# Altium PCB 智能马桶综合检测台V1.0.PcbDoc (part 7 of 10)
Units mil, origin at the board's own origin, x right, y up, seen from the top; angles counter-clockwise.
Board outline 8070.87 x 6102.36 mil, 2 copper layers (Top Layer, Bottom Layer); 199 components, 169 nets, 738 pads, 77 vias.
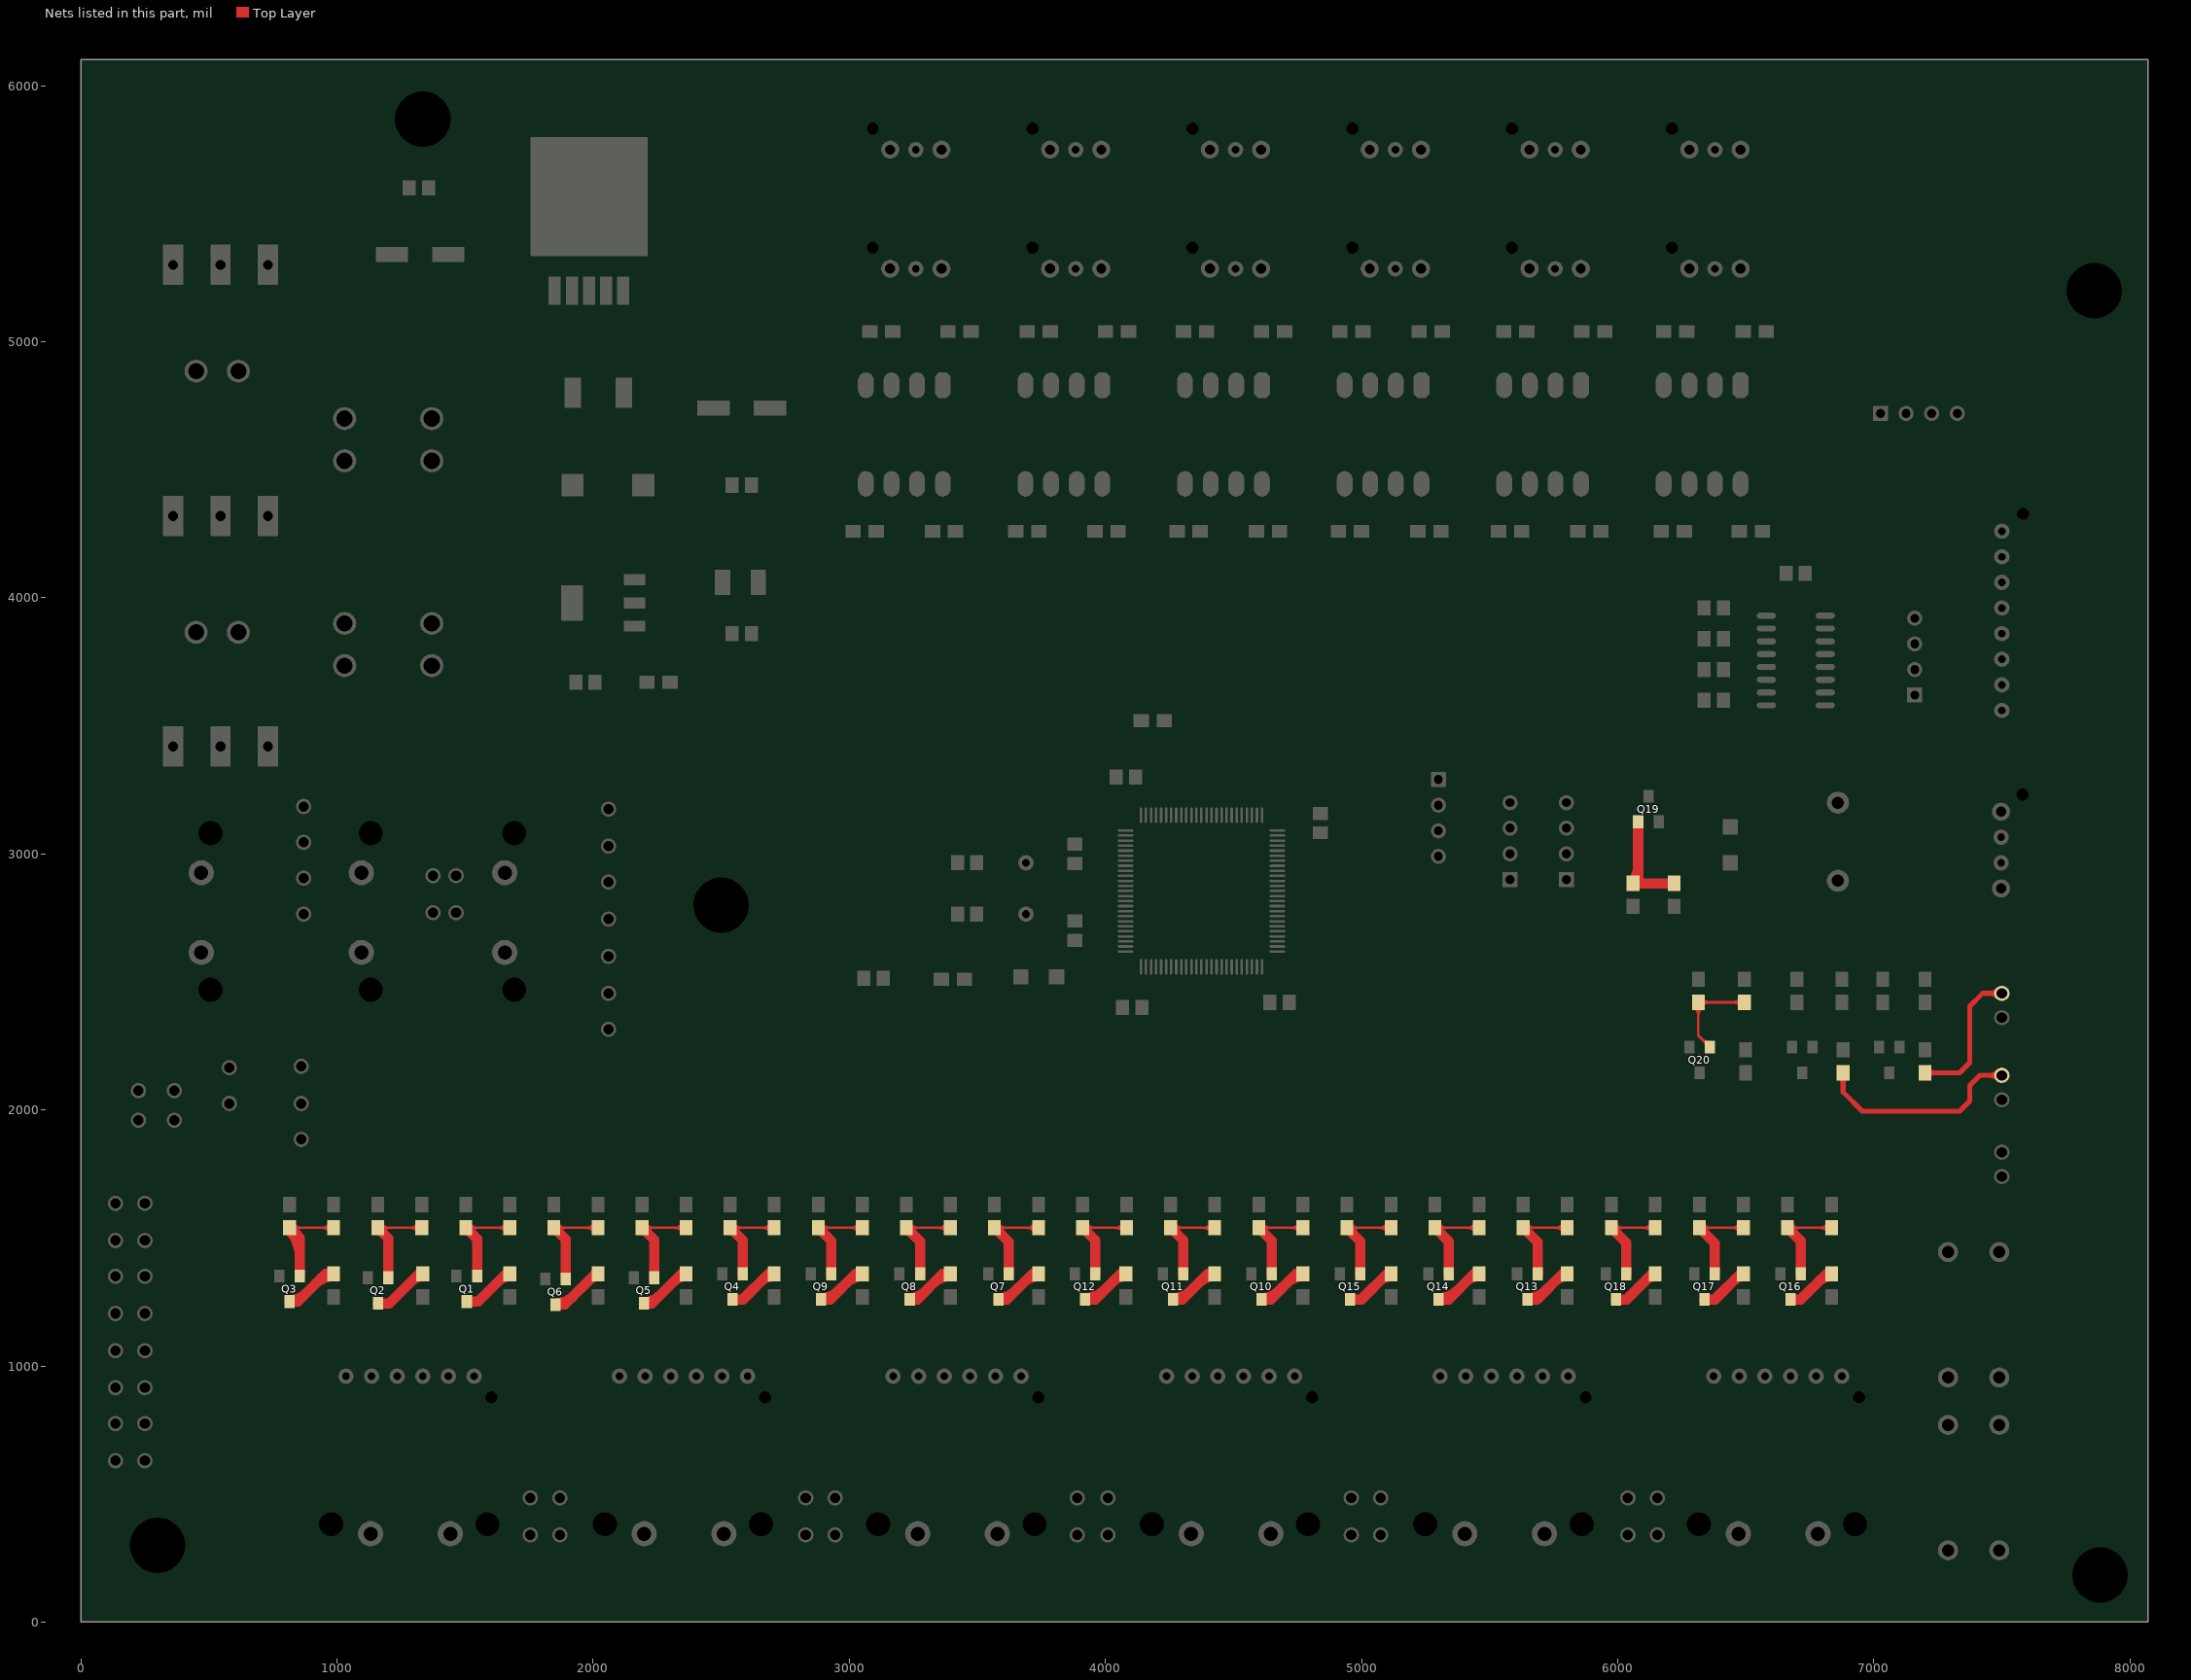
[diagram p7: the nets of this part, all layers, seen from the top]

## Via types
v1: diameter 40, hole 20, Top Layer to Bottom Layer, 68 vias
v2: diameter 50, hole 25, Top Layer to Bottom Layer, 9 vias

## Nets (pads, with @x,y where several pads share a name; then routed paths per layer and width w, separated by ;. In a path a pad name is that pad's centre, name@x,y a point inside that pad or via, vN(x,y) a via of type N, cw(c..) or ccw(c..) an arc to the next point about the centre after c; other vN are vias at no path point) (continued)
NetD4_2: D4.2 R87.1 | length 1615.6
  Top Layer w20: R87.1@6880,2145 6880,2070 6955,1995 7335,1995 7375,2035 7375,2095 7415,2135 D4.2@7500,2135 ; R87.1@6869.39,2129.39 cw(c6843.79,2103.79) 6880,2103.79 ; R87.1@6869.39,2129.39 cw(c6843.79,2103.79) 6880,2103.79 ; R87.1@6869.39,2129.39 cw(c6843.79,2103.79) 6880,2103.79 ; R87.1@6869.39,2129.39 cw(c6843.79,2103.79) 6880,2103.79 ; R87.1@6869.39,2129.39 cw(c6843.79,2103.79) 6880,2103.79 ; R87.1@6869.39,2129.39 cw(c6843.79,2103.79) 6880,2103.79 ; 6880,2103.79 cw(c6916.21,2103.79) R87.1@6890.61,2129.39 ; 6880,2103.79 cw(c6916.21,2103.79) R87.1@6890.61,2129.39 ; 6880,2103.79 cw(c6916.21,2103.79) R87.1@6890.61,2129.39 ; 6880,2103.79 cw(c6916.21,2103.79) R87.1@6890.61,2129.39 ; 6880,2103.79 cw(c6916.21,2103.79) R87.1@6890.61,2129.39 ; 6880,2103.79 cw(c6916.21,2103.79) R87.1@6890.61,2129.39 ; 7451.72,2135 cw(c7451.72,2086.72) D4.2@7485.86,2120.86 ; 7451.72,2135 ccw(c7451.72,2183.28) D4.2@7485.86,2149.14 ; 7451.72,2135 cw(c7451.72,2086.72) D4.2@7485.86,2120.86 ; 7451.72,2135 ccw(c7451.72,2183.28) D4.2@7485.86,2149.14 ; 7451.72,2135 cw(c7451.72,2086.72) D4.2@7485.86,2120.86 ; 7451.72,2135 ccw(c7451.72,2183.28) D4.2@7485.86,2149.14 ; 7451.72,2135 cw(c7451.72,2086.72) D4.2@7485.86,2120.86 ; 7451.72,2135 ccw(c7451.72,2183.28) D4.2@7485.86,2149.14 ; 7451.72,2135 cw(c7451.72,2086.72) D4.2@7485.86,2120.86 ; 7451.72,2135 ccw(c7451.72,2183.28) D4.2@7485.86,2149.14 ; 7451.72,2135 ccw(c7451.72,2183.28) D4.2@7485.86,2149.14 ; 7451.72,2135 cw(c7451.72,2086.72) D4.2@7485.86,2120.86
NetD5_2: D5.2 R90.1 | length 1353.6
  Top Layer w20: R90.1@7200,2145 7335,2145 7375,2185 7375,2405 7425,2455 D5.2@7500,2455 ; R90.1@7210.61,2134.39 cw(c7236.21,2108.79) 7236.21,2145 ; R90.1@7210.61,2134.39 cw(c7236.21,2108.79) 7236.21,2145 ; R90.1@7210.61,2134.39 cw(c7236.21,2108.79) 7236.21,2145 ; R90.1@7210.61,2134.39 cw(c7236.21,2108.79) 7236.21,2145 ; R90.1@7210.61,2134.39 cw(c7236.21,2108.79) 7236.21,2145 ; R90.1@7210.61,2134.39 cw(c7236.21,2108.79) 7236.21,2145 ; R90.1@7210.61,2155.61 ccw(c7236.21,2181.21) 7236.21,2145 ; R90.1@7210.61,2155.61 ccw(c7236.21,2181.21) 7236.21,2145 ; R90.1@7210.61,2155.61 ccw(c7236.21,2181.21) 7236.21,2145 ; R90.1@7210.61,2155.61 ccw(c7236.21,2181.21) 7236.21,2145 ; R90.1@7210.61,2155.61 ccw(c7236.21,2181.21) 7236.21,2145 ; R90.1@7210.61,2155.61 ccw(c7236.21,2181.21) 7236.21,2145 ; 7451.72,2455 cw(c7451.72,2406.72) D5.2@7485.86,2440.86 ; 7451.72,2455 ccw(c7451.72,2503.28) D5.2@7485.86,2469.14 ; 7451.72,2455 cw(c7451.72,2406.72) D5.2@7485.86,2440.86 ; 7451.72,2455 ccw(c7451.72,2503.28) D5.2@7485.86,2469.14 ; 7451.72,2455 cw(c7451.72,2406.72) D5.2@7485.86,2440.86 ; 7451.72,2455 ccw(c7451.72,2503.28) D5.2@7485.86,2469.14 ; 7451.72,2455 cw(c7451.72,2406.72) D5.2@7485.86,2440.86 ; 7451.72,2455 ccw(c7451.72,2503.28) D5.2@7485.86,2469.14 ; 7451.72,2455 cw(c7451.72,2406.72) D5.2@7485.86,2440.86 ; 7451.72,2455 ccw(c7451.72,2503.28) D5.2@7485.86,2469.14 ; 7451.72,2455 ccw(c7451.72,2503.28) D5.2@7485.86,2469.14 ; 7451.72,2455 cw(c7451.72,2406.72) D5.2@7485.86,2440.86
NetQ1_1: Q1.1 R2.2 R3.1 | length 1288.8
  Top Layer w10: R3.1@1503,1540 R2.2@1675,1540 ; R3.1@1517.14,1525.86 cw(c1551.28,1491.72) 1551.28,1540 ; R3.1@1517.14,1525.86 cw(c1551.28,1491.72) 1551.28,1540 ; R3.1@1517.14,1525.86 cw(c1551.28,1491.72) 1551.28,1540 ; R3.1@1517.14,1525.86 cw(c1551.28,1491.72) 1551.28,1540 ; R3.1@1517.14,1525.86 cw(c1551.28,1491.72) 1551.28,1540 ; R3.1@1517.14,1525.86 cw(c1551.28,1491.72) 1551.28,1540 ; R3.1@1517.14,1554.14 ccw(c1551.28,1588.28) 1551.28,1540 ; R3.1@1517.14,1554.14 ccw(c1551.28,1588.28) 1551.28,1540 ; R3.1@1517.14,1554.14 ccw(c1551.28,1588.28) 1551.28,1540 ; R3.1@1517.14,1554.14 ccw(c1551.28,1588.28) 1551.28,1540 ; R3.1@1517.14,1554.14 ccw(c1551.28,1588.28) 1551.28,1540 ; R3.1@1517.14,1554.14 ccw(c1551.28,1588.28) 1551.28,1540 ; 1626.72,1540 cw(c1626.72,1491.72) R2.2@1660.86,1525.86 ; 1626.72,1540 ccw(c1626.72,1588.28) R2.2@1660.86,1554.14 ; 1626.72,1540 cw(c1626.72,1491.72) R2.2@1660.86,1525.86 ; 1626.72,1540 ccw(c1626.72,1588.28) R2.2@1660.86,1554.14 ; 1626.72,1540 cw(c1626.72,1491.72) R2.2@1660.86,1525.86 ; 1626.72,1540 ccw(c1626.72,1588.28) R2.2@1660.86,1554.14 ; 1626.72,1540 cw(c1626.72,1491.72) R2.2@1660.86,1525.86 ; 1626.72,1540 ccw(c1626.72,1588.28) R2.2@1660.86,1554.14 ; 1626.72,1540 cw(c1626.72,1491.72) R2.2@1660.86,1525.86 ; 1626.72,1540 ccw(c1626.72,1588.28) R2.2@1660.86,1554.14 ; 1626.72,1540 ccw(c1626.72,1588.28) R2.2@1660.86,1554.14 ; 1626.72,1540 cw(c1626.72,1491.72) R2.2@1660.86,1525.86
  Top Layer w40: R3.1@1503,1540 1546.76,1496.24 Q1.1@1546.76,1351.5
NetQ1_3: Q1.3 R4.1 | length 402.8
  Top Layer w40: Q1.3@1506.76,1251.5 1551.5,1251.5 1660,1360 R4.1@1675,1360 ; 1632.32,1332.32 cw(c1675,1289.64) R4.1@1675,1350 ; 1632.32,1332.32 cw(c1675,1289.64) R4.1@1675,1350 ; 1632.32,1332.32 cw(c1675,1289.64) R4.1@1675,1350 ; 1632.32,1332.32 cw(c1675,1289.64) R4.1@1675,1350
NetQ2_1: Q2.1 R5.2 R6.2 | length 1295
  Top Layer w10: R6.2@1159,1540 R5.2@1331,1540 ; R6.2@1173.14,1525.86 cw(c1207.28,1491.72) 1207.28,1540 ; R6.2@1173.14,1525.86 cw(c1207.28,1491.72) 1207.28,1540 ; R6.2@1173.14,1525.86 cw(c1207.28,1491.72) 1207.28,1540 ; R6.2@1173.14,1525.86 cw(c1207.28,1491.72) 1207.28,1540 ; R6.2@1173.14,1525.86 cw(c1207.28,1491.72) 1207.28,1540 ; R6.2@1173.14,1525.86 cw(c1207.28,1491.72) 1207.28,1540 ; R6.2@1173.14,1554.14 ccw(c1207.28,1588.28) 1207.28,1540 ; R6.2@1173.14,1554.14 ccw(c1207.28,1588.28) 1207.28,1540 ; R6.2@1173.14,1554.14 ccw(c1207.28,1588.28) 1207.28,1540 ; R6.2@1173.14,1554.14 ccw(c1207.28,1588.28) 1207.28,1540 ; R6.2@1173.14,1554.14 ccw(c1207.28,1588.28) 1207.28,1540 ; R6.2@1173.14,1554.14 ccw(c1207.28,1588.28) 1207.28,1540 ; 1282.72,1540 cw(c1282.72,1491.72) R5.2@1316.86,1525.86 ; 1282.72,1540 ccw(c1282.72,1588.28) R5.2@1316.86,1554.14 ; 1282.72,1540 cw(c1282.72,1491.72) R5.2@1316.86,1525.86 ; 1282.72,1540 ccw(c1282.72,1588.28) R5.2@1316.86,1554.14 ; 1282.72,1540 cw(c1282.72,1491.72) R5.2@1316.86,1525.86 ; 1282.72,1540 ccw(c1282.72,1588.28) R5.2@1316.86,1554.14 ; 1282.72,1540 cw(c1282.72,1491.72) R5.2@1316.86,1525.86 ; 1282.72,1540 ccw(c1282.72,1588.28) R5.2@1316.86,1554.14 ; 1282.72,1540 cw(c1282.72,1491.72) R5.2@1316.86,1525.86 ; 1282.72,1540 ccw(c1282.72,1588.28) R5.2@1316.86,1554.14 ; 1282.72,1540 ccw(c1282.72,1588.28) R5.2@1316.86,1554.14 ; 1282.72,1540 cw(c1282.72,1491.72) R5.2@1316.86,1525.86
  Top Layer w40: R6.2@1159,1540 1200.88,1498.12 Q2.1@1200.88,1344.5
NetQ2_3: Q2.3 R7.1 | length 411.6
  Top Layer w40: Q2.3@1160.88,1244.5 1204.5,1244.5 1320,1360 R7.1@1335,1360 ; 1292.32,1332.32 cw(c1335,1289.64) R7.1@1335,1350 ; 1292.32,1332.32 cw(c1335,1289.64) R7.1@1335,1350 ; 1292.32,1332.32 cw(c1335,1289.64) R7.1@1335,1350 ; 1292.32,1332.32 cw(c1335,1289.64) R7.1@1335,1350
NetQ3_1: Q3.1 R8.2 R9.1 | length 2399.8
  Top Layer w10: R9.1@815,1540 R8.2@987,1540 ; R9.1@829.14,1525.86 cw(c863.28,1491.72) 863.28,1540 ; R9.1@829.14,1525.86 cw(c863.28,1491.72) 863.28,1540 ; R9.1@829.14,1525.86 cw(c863.28,1491.72) 863.28,1540 ; R9.1@829.14,1525.86 cw(c863.28,1491.72) 863.28,1540 ; R9.1@829.14,1525.86 cw(c863.28,1491.72) 863.28,1540 ; R9.1@829.14,1525.86 cw(c863.28,1491.72) 863.28,1540 ; R9.1@829.14,1554.14 ccw(c863.28,1588.28) 863.28,1540 ; R9.1@829.14,1554.14 ccw(c863.28,1588.28) 863.28,1540 ; R9.1@829.14,1554.14 ccw(c863.28,1588.28) 863.28,1540 ; R9.1@829.14,1554.14 ccw(c863.28,1588.28) 863.28,1540 ; R9.1@829.14,1554.14 ccw(c863.28,1588.28) 863.28,1540 ; R9.1@829.14,1554.14 ccw(c863.28,1588.28) 863.28,1540 ; 938.72,1540 cw(c938.72,1491.72) R8.2@972.86,1525.86 ; 938.72,1540 ccw(c938.72,1588.28) R8.2@972.86,1554.14 ; 938.72,1540 cw(c938.72,1491.72) R8.2@972.86,1525.86 ; 938.72,1540 ccw(c938.72,1588.28) R8.2@972.86,1554.14 ; 938.72,1540 cw(c938.72,1491.72) R8.2@972.86,1525.86 ; 938.72,1540 ccw(c938.72,1588.28) R8.2@972.86,1554.14 ; 938.72,1540 cw(c938.72,1491.72) R8.2@972.86,1525.86 ; 938.72,1540 ccw(c938.72,1588.28) R8.2@972.86,1554.14 ; 938.72,1540 cw(c938.72,1491.72) R8.2@972.86,1525.86 ; 938.72,1540 ccw(c938.72,1588.28) R8.2@972.86,1554.14 ; 938.72,1540 ccw(c938.72,1588.28) R8.2@972.86,1554.14 ; 938.72,1540 cw(c938.72,1491.72) R8.2@972.86,1525.86
  Top Layer w40: R9.1@815,1540 855,1500 Q3.1@855,1351.5 ; R9.1@811.46,1531.46 cw(c706.36,1426.36) 855,1426.36 ; R9.1@811.46,1531.46 cw(c706.36,1426.36) 855,1426.36 ; R9.1@811.46,1531.46 cw(c706.36,1426.36) 855,1426.36 ; R9.1@811.46,1531.46 cw(c706.36,1426.36) 855,1426.36 ; R9.1@811.46,1531.46 cw(c706.36,1426.36) 855,1426.36 ; R9.1@811.46,1531.46 cw(c706.36,1426.36) 855,1426.36 ; R9.1@814.18,1530.07 cw(c806.11,1481.85) 855,1481.85 ; R9.1@814.18,1530.07 cw(c806.11,1481.85) 855,1481.85 ; R9.1@814.18,1530.07 cw(c806.11,1481.85) 855,1481.85 ; R9.1@814.18,1530.07 cw(c806.11,1481.85) 855,1481.85 ; R9.1@814.18,1530.07 cw(c806.11,1481.85) 855,1481.85 ; R9.1@814.18,1530.07 cw(c806.11,1481.85) 855,1481.85
NetQ3_3: Q3.3 R10.1 | length 1102.1
  Top Layer w40: Q3.3@815,1251.5 846.5,1251.5 955,1360 R10.1@975,1360 ; Q3.3@815,1256.5 ccw(c815,1344.62) 877.31,1282.31 ; Q3.3@815,1256.5 ccw(c815,1344.62) 877.31,1282.31 ; Q3.3@815,1256.5 ccw(c815,1344.62) 877.31,1282.31 ; Q3.3@815,1256.5 ccw(c815,1344.62) 877.31,1282.31 ; 915.3,1320.3 cw(c987,1248.6) R10.1@987,1350 ; 915.3,1320.3 cw(c987,1248.6) R10.1@987,1350 ; 915.3,1320.3 cw(c987,1248.6) R10.1@987,1350 ; 915.3,1320.3 cw(c987,1248.6) R10.1@987,1350 ; 939,1344 cw(c971.44,1311.56) R10.1@985.47,1355.24 ; 939,1344 cw(c971.44,1311.56) R10.1@985.47,1355.24 ; 939,1344 cw(c971.44,1311.56) R10.1@985.47,1355.24 ; 939,1344 cw(c971.44,1311.56) R10.1@985.47,1355.24 ; 939,1344 cw(c971.44,1311.56) R10.1@985.47,1355.24 ; 939,1344 cw(c971.44,1311.56) R10.1@985.47,1355.24
NetQ4_1: Q4.1 R11.2 R12.2 | length 1282.6
  Top Layer w10: R12.2@2535,1540 R11.2@2707,1540 ; R12.2@2549.14,1525.86 cw(c2583.28,1491.72) 2583.28,1540 ; R12.2@2549.14,1525.86 cw(c2583.28,1491.72) 2583.28,1540 ; R12.2@2549.14,1525.86 cw(c2583.28,1491.72) 2583.28,1540 ; R12.2@2549.14,1525.86 cw(c2583.28,1491.72) 2583.28,1540 ; R12.2@2549.14,1525.86 cw(c2583.28,1491.72) 2583.28,1540 ; R12.2@2549.14,1525.86 cw(c2583.28,1491.72) 2583.28,1540 ; R12.2@2549.14,1554.14 ccw(c2583.28,1588.28) 2583.28,1540 ; R12.2@2549.14,1554.14 ccw(c2583.28,1588.28) 2583.28,1540 ; R12.2@2549.14,1554.14 ccw(c2583.28,1588.28) 2583.28,1540 ; R12.2@2549.14,1554.14 ccw(c2583.28,1588.28) 2583.28,1540 ; R12.2@2549.14,1554.14 ccw(c2583.28,1588.28) 2583.28,1540 ; R12.2@2549.14,1554.14 ccw(c2583.28,1588.28) 2583.28,1540 ; 2658.72,1540 cw(c2658.72,1491.72) R11.2@2692.86,1525.86 ; 2658.72,1540 ccw(c2658.72,1588.28) R11.2@2692.86,1554.14 ; 2658.72,1540 cw(c2658.72,1491.72) R11.2@2692.86,1525.86 ; 2658.72,1540 ccw(c2658.72,1588.28) R11.2@2692.86,1554.14 ; 2658.72,1540 cw(c2658.72,1491.72) R11.2@2692.86,1525.86 ; 2658.72,1540 ccw(c2658.72,1588.28) R11.2@2692.86,1554.14 ; 2658.72,1540 cw(c2658.72,1491.72) R11.2@2692.86,1525.86 ; 2658.72,1540 ccw(c2658.72,1588.28) R11.2@2692.86,1554.14 ; 2658.72,1540 cw(c2658.72,1491.72) R11.2@2692.86,1525.86 ; 2658.72,1540 ccw(c2658.72,1588.28) R11.2@2692.86,1554.14 ; 2658.72,1540 ccw(c2658.72,1588.28) R11.2@2692.86,1554.14 ; 2658.72,1540 cw(c2658.72,1491.72) R11.2@2692.86,1525.86
  Top Layer w40: R12.2@2535,1540 2584.41,1490.59 Q4.1@2584.41,1360
NetQ4_3: Q4.3 R13.1 | length 446.7
  Top Layer w40: Q4.3@2544.41,1260 2585,1260 2685,1360 R13.1@2707,1360 ; 2652.37,1327.37 cw(c2707,1272.75) R13.1@2707,1350 ; 2652.37,1327.37 cw(c2707,1272.75) R13.1@2707,1350 ; 2652.37,1327.37 cw(c2707,1272.75) R13.1@2707,1350 ; 2652.37,1327.37 cw(c2707,1272.75) R13.1@2707,1350
NetQ5_1: Q5.1 R14.2 R15.1 | length 1297.5
  Top Layer w10: R15.1@2195,1550 2205,1540 R14.2@2363,1540 ; R15.1@2205.14,1525.86 cw(c2239.28,1491.72) 2239.28,1540 ; R15.1@2205.14,1525.86 cw(c2239.28,1491.72) 2239.28,1540 ; R15.1@2205.14,1525.86 cw(c2239.28,1491.72) 2239.28,1540 ; R15.1@2205.14,1525.86 cw(c2239.28,1491.72) 2239.28,1540 ; R15.1@2205.14,1525.86 cw(c2239.28,1491.72) 2239.28,1540 ; R15.1@2205.14,1525.86 cw(c2239.28,1491.72) 2239.28,1540 ; R15.1@2205.14,1554.14 ccw(c2239.28,1588.28) 2239.28,1540 ; R15.1@2205.14,1554.14 ccw(c2239.28,1588.28) 2239.28,1540 ; R15.1@2205.14,1554.14 ccw(c2239.28,1588.28) 2239.28,1540 ; R15.1@2205.14,1554.14 ccw(c2239.28,1588.28) 2239.28,1540 ; R15.1@2205.14,1554.14 ccw(c2239.28,1588.28) 2239.28,1540 ; R15.1@2205.14,1554.14 ccw(c2239.28,1588.28) 2239.28,1540 ; 2314.72,1540 cw(c2314.72,1491.72) R14.2@2348.86,1525.86 ; 2314.72,1540 ccw(c2314.72,1588.28) R14.2@2348.86,1554.14 ; 2314.72,1540 cw(c2314.72,1491.72) R14.2@2348.86,1525.86 ; 2314.72,1540 ccw(c2314.72,1588.28) R14.2@2348.86,1554.14 ; 2314.72,1540 cw(c2314.72,1491.72) R14.2@2348.86,1525.86 ; 2314.72,1540 ccw(c2314.72,1588.28) R14.2@2348.86,1554.14 ; 2314.72,1540 cw(c2314.72,1491.72) R14.2@2348.86,1525.86 ; 2314.72,1540 ccw(c2314.72,1588.28) R14.2@2348.86,1554.14 ; 2314.72,1540 cw(c2314.72,1491.72) R14.2@2348.86,1525.86 ; 2314.72,1540 ccw(c2314.72,1588.28) R14.2@2348.86,1554.14 ; 2314.72,1540 ccw(c2314.72,1588.28) R14.2@2348.86,1554.14 ; 2314.72,1540 cw(c2314.72,1491.72) R14.2@2348.86,1525.86
  Top Layer w40: R15.1@2191,1540 2238.53,1492.47 Q5.1@2238.53,1344.5
NetQ5_3: Q5.3 R16.1 | length 697.5
  Top Layer w40: Q5.3@2198.53,1244.5 2229.5,1244.5 2345,1360 R16.1@2363,1360 ; Q5.3@2198.53,1249.5 ccw(c2198.53,1336.34) 2259.94,1274.94 ; Q5.3@2198.53,1249.5 ccw(c2198.53,1336.34) 2259.94,1274.94 ; Q5.3@2198.53,1249.5 ccw(c2198.53,1336.34) 2259.94,1274.94 ; Q5.3@2198.53,1249.5 ccw(c2198.53,1336.34) 2259.94,1274.94 ; 2315.2,1330.2 cw(c2363,1282.4) R16.1@2363,1350 ; 2315.2,1330.2 cw(c2363,1282.4) R16.1@2363,1350 ; 2315.2,1330.2 cw(c2363,1282.4) R16.1@2363,1350 ; 2315.2,1330.2 cw(c2363,1282.4) R16.1@2363,1350
NetQ6_1: Q6.1 R17.2 R18.2 | length 1301.5
  Top Layer w10: R18.2@1847,1540 R17.2@2019,1540 ; R18.2@1861.14,1525.86 cw(c1895.28,1491.72) 1895.28,1540 ; R18.2@1861.14,1525.86 cw(c1895.28,1491.72) 1895.28,1540 ; R18.2@1861.14,1525.86 cw(c1895.28,1491.72) 1895.28,1540 ; R18.2@1861.14,1525.86 cw(c1895.28,1491.72) 1895.28,1540 ; R18.2@1861.14,1525.86 cw(c1895.28,1491.72) 1895.28,1540 ; R18.2@1861.14,1525.86 cw(c1895.28,1491.72) 1895.28,1540 ; R18.2@1861.14,1554.14 ccw(c1895.28,1588.28) 1895.28,1540 ; R18.2@1861.14,1554.14 ccw(c1895.28,1588.28) 1895.28,1540 ; R18.2@1861.14,1554.14 ccw(c1895.28,1588.28) 1895.28,1540 ; R18.2@1861.14,1554.14 ccw(c1895.28,1588.28) 1895.28,1540 ; R18.2@1861.14,1554.14 ccw(c1895.28,1588.28) 1895.28,1540 ; R18.2@1861.14,1554.14 ccw(c1895.28,1588.28) 1895.28,1540 ; 1970.72,1540 cw(c1970.72,1491.72) R17.2@2004.86,1525.86 ; 1970.72,1540 ccw(c1970.72,1588.28) R17.2@2004.86,1554.14 ; 1970.72,1540 cw(c1970.72,1491.72) R17.2@2004.86,1525.86 ; 1970.72,1540 ccw(c1970.72,1588.28) R17.2@2004.86,1554.14 ; 1970.72,1540 cw(c1970.72,1491.72) R17.2@2004.86,1525.86 ; 1970.72,1540 ccw(c1970.72,1588.28) R17.2@2004.86,1554.14 ; 1970.72,1540 cw(c1970.72,1491.72) R17.2@2004.86,1525.86 ; 1970.72,1540 ccw(c1970.72,1588.28) R17.2@2004.86,1554.14 ; 1970.72,1540 cw(c1970.72,1491.72) R17.2@2004.86,1525.86 ; 1970.72,1540 ccw(c1970.72,1588.28) R17.2@2004.86,1554.14 ; 1970.72,1540 ccw(c1970.72,1588.28) R17.2@2004.86,1554.14 ; 1970.72,1540 cw(c1970.72,1491.72) R17.2@2004.86,1525.86
  Top Layer w40: R18.2@1847,1540 1892.65,1494.35 Q6.1@1892.65,1339.5
NetQ6_3: Q6.3 R19.1 | length 677.8
  Top Layer w40: Q6.3@1852.65,1239.5 1889.5,1239.5 2010,1360 R19.1@2019,1360 ; Q6.3@1852.65,1244.5 ccw(c1852.65,1345.54) 1924.09,1274.09 ; Q6.3@1852.65,1244.5 ccw(c1852.65,1345.54) 1924.09,1274.09 ; Q6.3@1852.65,1244.5 ccw(c1852.65,1345.54) 1924.09,1274.09 ; Q6.3@1852.65,1244.5 ccw(c1852.65,1345.54) 1924.09,1274.09 ; 1986.56,1336.56 cw(c2019,1304.13) R19.1@2019,1350 ; 1986.56,1336.56 cw(c2019,1304.13) R19.1@2019,1350 ; 1986.56,1336.56 cw(c2019,1304.13) R19.1@2019,1350 ; 1986.56,1336.56 cw(c2019,1304.13) R19.1@2019,1350
NetQ7_1: Q7.1 R20.2 R21.1 | length 1284.9
  Top Layer w10: R21.1@3567,1540 R20.2@3739,1540 ; R21.1@3581.14,1525.86 cw(c3615.28,1491.72) 3615.28,1540 ; R21.1@3581.14,1525.86 cw(c3615.28,1491.72) 3615.28,1540 ; R21.1@3581.14,1525.86 cw(c3615.28,1491.72) 3615.28,1540 ; R21.1@3581.14,1525.86 cw(c3615.28,1491.72) 3615.28,1540 ; R21.1@3581.14,1525.86 cw(c3615.28,1491.72) 3615.28,1540 ; R21.1@3581.14,1525.86 cw(c3615.28,1491.72) 3615.28,1540 ; R21.1@3581.14,1554.14 ccw(c3615.28,1588.28) 3615.28,1540 ; R21.1@3581.14,1554.14 ccw(c3615.28,1588.28) 3615.28,1540 ; R21.1@3581.14,1554.14 ccw(c3615.28,1588.28) 3615.28,1540 ; R21.1@3581.14,1554.14 ccw(c3615.28,1588.28) 3615.28,1540 ; R21.1@3581.14,1554.14 ccw(c3615.28,1588.28) 3615.28,1540 ; R21.1@3581.14,1554.14 ccw(c3615.28,1588.28) 3615.28,1540 ; 3690.72,1540 cw(c3690.72,1491.72) R20.2@3724.86,1525.86 ; 3690.72,1540 ccw(c3690.72,1588.28) R20.2@3724.86,1554.14 ; 3690.72,1540 cw(c3690.72,1491.72) R20.2@3724.86,1525.86 ; 3690.72,1540 ccw(c3690.72,1588.28) R20.2@3724.86,1554.14 ; 3690.72,1540 cw(c3690.72,1491.72) R20.2@3724.86,1525.86 ; 3690.72,1540 ccw(c3690.72,1588.28) R20.2@3724.86,1554.14 ; 3690.72,1540 cw(c3690.72,1491.72) R20.2@3724.86,1525.86 ; 3690.72,1540 ccw(c3690.72,1588.28) R20.2@3724.86,1554.14 ; 3690.72,1540 cw(c3690.72,1491.72) R20.2@3724.86,1525.86 ; 3690.72,1540 ccw(c3690.72,1588.28) R20.2@3724.86,1554.14 ; 3690.72,1540 ccw(c3690.72,1588.28) R20.2@3724.86,1554.14 ; 3690.72,1540 cw(c3690.72,1491.72) R20.2@3724.86,1525.86
  Top Layer w40: R21.1@3567,1540 3622.06,1484.94 Q7.1@3622.06,1360
NetQ7_3: Q7.3 R22.1 | length 744
  Top Layer w40: Q7.3@3582.06,1260 3615,1260 3715,1360 R22.1@3739,1360 ; Q7.3@3582.06,1265 ccw(c3582.06,1356.6) 3646.83,1291.83 ; Q7.3@3582.06,1265 ccw(c3582.06,1356.6) 3646.83,1291.83 ; Q7.3@3582.06,1265 ccw(c3582.06,1356.6) 3646.83,1291.83 ; Q7.3@3582.06,1265 ccw(c3582.06,1356.6) 3646.83,1291.83 ; 3680.96,1325.96 cw(c3739,1267.92) R22.1@3739,1350 ; 3680.96,1325.96 cw(c3739,1267.92) R22.1@3739,1350 ; 3680.96,1325.96 cw(c3739,1267.92) R22.1@3739,1350 ; 3680.96,1325.96 cw(c3739,1267.92) R22.1@3739,1350
NetQ8_1: Q8.1 R23.2 R24.2 | length 1284.2
  Top Layer w10: R24.2@3223,1540 R23.2@3395,1540 ; R24.2@3237.14,1525.86 cw(c3271.28,1491.72) 3271.28,1540 ; R24.2@3237.14,1525.86 cw(c3271.28,1491.72) 3271.28,1540 ; R24.2@3237.14,1525.86 cw(c3271.28,1491.72) 3271.28,1540 ; R24.2@3237.14,1525.86 cw(c3271.28,1491.72) 3271.28,1540 ; R24.2@3237.14,1525.86 cw(c3271.28,1491.72) 3271.28,1540 ; R24.2@3237.14,1525.86 cw(c3271.28,1491.72) 3271.28,1540 ; R24.2@3237.14,1554.14 ccw(c3271.28,1588.28) 3271.28,1540 ; R24.2@3237.14,1554.14 ccw(c3271.28,1588.28) 3271.28,1540 ; R24.2@3237.14,1554.14 ccw(c3271.28,1588.28) 3271.28,1540 ; R24.2@3237.14,1554.14 ccw(c3271.28,1588.28) 3271.28,1540 ; R24.2@3237.14,1554.14 ccw(c3271.28,1588.28) 3271.28,1540 ; R24.2@3237.14,1554.14 ccw(c3271.28,1588.28) 3271.28,1540 ; 3346.72,1540 cw(c3346.72,1491.72) R23.2@3380.86,1525.86 ; 3346.72,1540 ccw(c3346.72,1588.28) R23.2@3380.86,1554.14 ; 3346.72,1540 cw(c3346.72,1491.72) R23.2@3380.86,1525.86 ; 3346.72,1540 ccw(c3346.72,1588.28) R23.2@3380.86,1554.14 ; 3346.72,1540 cw(c3346.72,1491.72) R23.2@3380.86,1525.86 ; 3346.72,1540 ccw(c3346.72,1588.28) R23.2@3380.86,1554.14 ; 3346.72,1540 cw(c3346.72,1491.72) R23.2@3380.86,1525.86 ; 3346.72,1540 ccw(c3346.72,1588.28) R23.2@3380.86,1554.14 ; 3346.72,1540 cw(c3346.72,1491.72) R23.2@3380.86,1525.86 ; 3346.72,1540 ccw(c3346.72,1588.28) R23.2@3380.86,1554.14 ; 3346.72,1540 ccw(c3346.72,1588.28) R23.2@3380.86,1554.14 ; 3346.72,1540 cw(c3346.72,1491.72) R23.2@3380.86,1525.86